# KiCad board 4in1.kicad_pcb (continued)
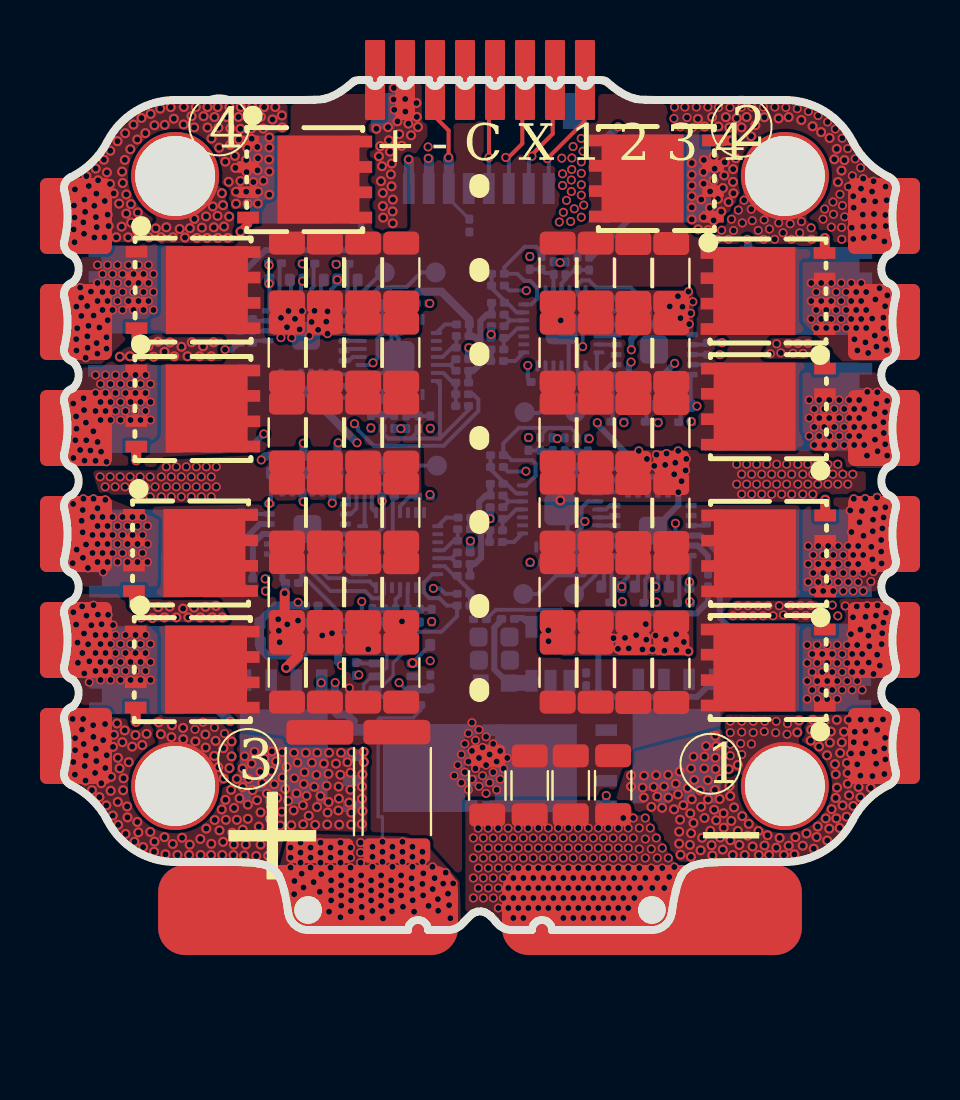
[diagram p0: board, top side]
## Routing (per net, layer and track width the routed paths; a pad name or vN(x,y) marks a point on that pad's centre or on a via; arc(x,y) is an arc through that point) (continued)
/ESC2/GHA: length 2.5
  Bottom w0.2: U6.19 27.43,27.6 27.43,25.5 R77.1
/ESC2/GHB: length 1.8
  Bottom w0.2: U6.16 29.25,26.7 29.12,26.57 29.12,25.47 R56.1
/ESC2/GHC: length 1.8
  Bottom w0.2: U6.13 30.82,27.05 30.82,25.48 R24.1
/ESC2/GLA: length 0.8
  Bottom w0.2: R81.1 32.09,28.27 U6.11
/ESC2/GLB: length 0.8
  Bottom w0.2: U6.10 R63.1
/ESC2/GLC: length 0.8
  Bottom w0.2: R43.1 32.08,29.27 U6.9
/ESC2/MotorA: length 21.4
  In2.Cu w0.2: v1(28.35,28.4) 28.47,28.4 28.92,28.85 28.92,29.32 26.27,31.97 v1(23.11,31.97)
  In3.Cu w0.4: v1(28.35,28.4) 29.93,26.82 36.94,26.82 v1(37.26,26.5)
  Bottom w0.2: U6.18 28.25,26.72 27.94,26.41 C56.1 ; R12.1 22.25,31.98 23.1,31.98 v1(23.11,31.97)
  Bottom w0.3: v1(28.35,28.4) 28.25,28.3 U6.18
  vias: v1(37.26,25.6) v1(37.26,24.7) v1(37.51,26.05) v1(37.51,25.15) v1(37.51,24.25) v1(37.76,26.5) v1(37.76,25.6) v1(37.76,24.7) v1(38.01,26.05) v1(38.01,25.15) v1(38.01,24.25) v1(38.26,26.5) v1(38.26,25.6) v1(38.26,24.7) v1(38.51,26.05) v1(38.51,25.15) v1(38.51,24.25) v1(38.76,26.5) v1(38.76,25.6) v1(38.76,24.7) v1(39.01,26.05) v1(39.01,25.15) v1(39.01,24.25) v1(39.26,26.5) v1(39.26,25.6) v1(39.26,24.7) v1(39.51,26.05) v1(39.51,25.15) v1(39.51,24.25) v1(39.76,26.5) v1(39.76,25.6) v1(39.76,24.7) v1(40.01,26.05) v1(40.01,25.15) v1(40.01,24.25) v1(40.17,26.91) v1(40.15,23.72) v1(40.53,25.8) v1(40.51,25.18) v1(40.55,24.52) v1(40.67,26.89) v1(40.62,26.32) v1(40.68,23.94) v1(40.97,25.39) v1(40.99,24.85) v1(41.05,25.89) v1(41.06,24.29) v1(41.16,26.45) v1(41.16,23.72)
/ESC2/MotorB: length 22.7
  In2.Cu w0.2: v1(30.53,28.33) 30.53,28.42 26.21,32.74 24.22,32.74 v1(23.28,33.68)
  In3.Cu w0.4: v1(39.11,30.1) 39.09,30.08 39.09,28.44 38.44,27.79 31.07,27.79 v1(30.53,28.33)
  Bottom w0.2: U6.15 29.75,26.34 C33.1 ; R15.1 v1(23.28,33.68)
  Bottom w0.3: v1(30.53,28.33) 29.75,27.55 U6.15
  vias: v1(37.36,32.35) v1(37.36,31.45) v1(37.36,30.55) v1(37.61,31.9) v1(37.61,31) v1(37.61,30.1) v1(37.86,32.35) v1(37.86,31.45) v1(37.86,30.55) v1(38.11,31.9) v1(38.11,31) v1(38.11,30.1) v1(38.36,32.35) v1(38.36,31.45) v1(38.36,30.55) v1(38.61,31.9) v1(38.61,31) v1(38.61,30.1) v1(38.86,32.35) v1(38.86,31.45) v1(38.86,30.55) v1(39.11,31.9) v1(39.11,31) v1(39.36,32.35) v1(39.36,31.45) v1(39.36,30.55) v1(39.52,29.54) v1(39.61,31.9) v1(39.61,31) v1(39.61,30.1) v1(39.67,28.98) v1(39.86,32.35) v1(39.86,31.45) v1(39.86,30.55) v1(40.07,29.39) v1(40.11,31.9) v1(40.11,31) v1(40.11,30.1) v1(40.21,28.85) v1(40.41,30.57) v1(40.57,31.53) v1(40.54,29.72) v1(40.62,29.17) v1(40.78,32.09) v1(40.97,30.62) v1(40.96,30.09) v1(41.06,31.19) v1(41.07,29.55) v1(41.16,31.73) v1(41.15,28.99)
/ESC2/MotorC: length 22.2
  Top w0.16: 37.95,35.97 v1(38.03,36.05)
  In3.Cu w0.5: v1(31.64,26.19) 29.66,26.19 27.71,28.14 27.71,32.93 30.92,36.13 v2(31.38,36.13)
  Bottom w0.2: C37.1 31.33,27.69 U6.12
  Bottom w0.3: Q22.3 26.36,33.64 R36.1 ; v1(31.64,26.19) 31.62,26.22 C37.1
  vias: v1(30.49,40.58) v1(30.52,41.15) v1(30.81,40.16) v1(31.04,41.15) v1(31.14,40.63) v1(31.43,40.13) v1(31.61,41.15) v1(32.19,41.15) v1(32.72,41.13) v1(33.29,41.13) v1(33.87,41.14) v1(34.39,41.15) v1(34.96,41.15) v1(35.54,41.15) v1(36.09,41.13) v1(36.66,41.07) v1(37.22,40.93) v1(37.7,40.72) v1(37.95,35.54) v1(38.18,40.4) v1(38.37,35.14) v1(38.45,36.4) v1(38.47,35.79) v1(38.56,40.05) v1(38.8,36.79) v1(38.88,35.13) v1(38.88,34.54) v1(38.91,39.59) v1(38.92,36.22) v1(39.03,35.66) v1(39.19,39.07) v1(39.22,37.17) v1(39.39,35.11) v1(39.42,37.71) v1(39.46,36.69) v1(39.48,36.12) v1(39.46,34.55) v1(39.56,38.56) v1(39.83,38.11) v1(39.85,37.07) v1(39.96,37.57) v1(39.99,36.48) v1(39.94,35.77) v1(39.96,35.17) v1(39.99,34.6) v1(40.4,36.92) v1(40.48,37.44) v1(40.5,35.8) v1(40.5,35.19) v1(40.49,34.67) v1(40.56,36.43) v1(41.08,37.17) v1(41.07,35.75) v1(41.09,35.2) v1(41.02,34.43) v1(41.13,36.49) v2(31.38,38.35) v2(31.38,37.76) v2(31.38,37.23) v2(31.38,36.69) v2(31.38,35.53) v2(31.69,40.55) v2(31.7,35.03) v2(31.86,36.52) v2(31.99,38.5) v2(31.97,37.9) v2(31.98,37.32) v2(31.97,35.64) v2(32.03,40.18) v2(32.2,35) v2(32.3,36.93) v2(32.29,36.11) v2(32.4,40.65) v2(32.48,38.66) v2(32.47,37.47) v2(32.48,35.48) v2(32.53,38.07) v2(32.69,36.55) v2(32.72,40.18) v2(32.86,35.92) v2(32.94,37.1) v2(33.09,40.64) v2(33.03,38.39) v2(33.01,37.73) v2(33.27,40.13) v2(33.23,36.4) v2(33.45,38.04) v2(33.45,37.4) v2(33.47,36.84) v2(33.59,38.59) v2(33.63,40.59) v2(33.87,40.13) v2(34.13,40.65) v2(34.35,39.69) v2(34.57,40.24) v2(35.02,40.64) v2(35.73,40.58) v2(36.23,40.65) v2(36.86,40.5) v2(37.43,40.19) v2(37.85,39.9) v2(38.28,39.6) v2(38.51,38.54) v2(38.64,39.05) v2(38.7,37.4) v2(38.88,37.97) v2(39.02,38.49)
/ESC3/AH: length 0.9
  Bottom w0.2: U7.20 14.91,19.8 U8.22
/ESC3/AL: length 1.7
  Bottom w0.2: U7.15 14.42,17.79 14.08,18.13 U8.1
/ESC3/BH: length 0.9
  Bottom w0.2: U7.19 14.15,19.39 U8.23
/ESC3/BL: length 3.2
  Bottom w0.2: U7.14 15.28,17.43 14.19,17.43 14.03,17.59 13.2,17.59 12.91,17.88 U8.2
/ESC3/CH: length 0.9
  Bottom w0.2: U8.24 14.31,18.8 14.5,18.99 U7.18
/ESC3/CL: length 4.8
  Bottom w0.2: U8.3 12.41,17.86 13.31,16.95 15.04,16.95 15.41,16.59 15.77,16.59 15.99,16.81 U7.13
/ESC3/FBA: length 2.9
  Bottom w0.2: U7.6 19.03,18.19 19.51,17.71 R47.2 19.65,17.61 20.29,16.97 R48.2 R46.1
/ESC3/FBB: length 2.3
  Bottom w0.2: R51.2 17.18,16.04 R50.2 17.17,17.1 U7.10
/ESC3/FBC: length 2.3
  Bottom w0.2: R54.2 15.42,16.06 R53.2 16.57,16.53 16.79,16.75 U7.11
/ESC3/FBCOMMON: length 10
  Bottom w0.2: 16.26,14.92 17.42,14.92 17.79,15.29 R49.1 ; 16.26,14.92 16.27,14.91 18.86,14.91 19.65,15.7 R46.2 19.13,16.22 18.75,16.6 18.26,16.6 17.97,16.88 17.97,17.36 18.4,17.79 U7.7 ; 16.26,14.92 15.99,15.19 R52.1
/ESC3/GHA: length 2.5
  Bottom w0.2: R78.1 14.23,23.57 14.23,21.47 U8.19
/ESC3/GHB: length 1.8
  Bottom w0.2: U8.16 12.41,22.37 12.54,22.5 12.54,23.6 R60.1
/ESC3/GHC: length 1.8
  Bottom w0.2: R37.1 10.84,23.59 10.84,22.02 U8.13
/ESC3/GLA: length 0.8
  Bottom w0.2: R82.1 9.57,20.8 U8.11
/ESC3/GLB: length 4.5
  Bottom w0.3: U8.10 9.78,20.3 8.89,19.41 8.89,17.3 9.22,16.97 R74.1
/ESC3/GLC: length 2.8
  Bottom w0.3: U8.9 9.93,19.8 9.43,19.3 R44.1
/ESC3/MotorA: length 20.9
  In2.Cu w0.2: v1(13.4,21.34) 17.69,17.05 18.43,17.05 v1(18.46,17.08)
  In3.Cu w0.4: v1(4.16,19.3) 6.26,19.3 9.43,22.47 12.27,22.47 v1(13.4,21.34)
  Bottom w0.2: C62.1 13.72,22.66 13.41,22.35 U8.18 ; v1(18.46,17.08) 18.46,16.99 18.55,17.08 18.78,17.08 19.05,16.81 R48.1
  Bottom w0.4: U8.18 13.41,21.35 v1(13.4,21.34)
  vias: v1(0.44,21.3) v1(0.42,18.34) v1(0.62,19.02) v1(0.87,20.46) v1(0.95,21.56) v1(0.92,21) v1(0.92,19.89) v1(0.93,18.61) v1(1.08,19.27) v1(1.18,18.1) v1(1.41,20.65) v1(1.41,19.75) v1(1.41,18.85) v1(1.46,21.56) v1(1.66,21.09) v1(1.66,20.2) v1(1.66,19.3) v1(1.66,18.4) v1(1.91,20.65) v1(1.91,19.75) v1(1.91,18.85) v1(1.94,17.9) v1(2.05,21.51) v1(2.16,20.2) v1(2.16,19.3) v1(2.16,18.4) v1(2.41,20.65) v1(2.41,19.75) v1(2.41,18.85) v1(2.66,20.2) v1(2.66,19.3) v1(2.66,18.4) v1(2.91,20.65) v1(2.91,19.75) v1(2.91,18.85) v1(3.16,20.2) v1(3.16,19.3) v1(3.16,18.4) v1(3.41,20.65) v1(3.41,19.75) v1(3.41,18.85) v1(3.66,20.2) v1(3.66,19.3) v1(3.66,18.4) v1(3.91,20.65) v1(3.91,19.75) v1(3.91,18.85) v1(4.16,20.2) v1(4.16,18.4)
/ESC3/MotorB: length 24.2
  In2.Cu w0.2: v1(11.96,21.41) 17.95,15.43 v1(18.37,15.43)
  In3.Cu w0.4: v1(11.96,21.41) 11.46,21.91 9.81,21.91 4.72,16.82 3.24,16.82 1.56,15.14 v1(1.56,14.75)
  Bottom w0.2: U8.15 11.91,22.73 C34.1 ; v1(18.37,15.43) 18.38,15.42 R51.1
  Bottom w0.4: U8.15 11.91,21.46 v1(11.96,21.41)
  vias: v1(0.45,15.89) v1(0.59,15.27) v1(0.66,14.37) v1(0.68,13.36) v1(0.89,16.18) v1(0.9,13.85) v1(0.98,14.83) v1(1,12.83) v1(1.11,15.72) v1(1.19,14.29) v1(1.25,13.43) v1(1.24,12.39) v1(1.35,15.24) v1(1.46,16.24) v1(1.56,13.85) v1(1.56,12.95) v1(1.68,15.77) v1(1.81,14.3) v1(1.81,13.4) v1(1.81,12.5) v1(1.86,15.29) v1(2.06,14.75) v1(2.06,13.85) v1(2.06,12.95) v1(2.19,15.76) v1(2.31,14.3) v1(2.31,13.4) v1(2.31,12.5) v1(2.44,15.25) v1(2.56,14.75) v1(2.56,13.85) v1(2.56,12.95) v1(2.81,14.3) v1(2.81,13.4) v1(2.81,12.5) v1(3.06,14.75) v1(3.06,13.85) v1(3.06,12.95) v1(3.31,14.3) v1(3.31,13.4) v1(3.31,12.5) v1(3.56,14.75) v1(3.56,13.85) v1(3.56,12.95) v1(3.81,14.3) v1(3.81,13.4) v1(3.81,12.5) v1(4.06,14.75) v1(4.06,13.85) v1(4.06,12.95) v1(4.31,14.3) v1(4.31,13.4) v1(4.31,12.5)
/ESC3/MotorC: length 25.5
  Top w0.4: 1.45,9.71 v2(2.04,10.3) ; 1.22,10.02 v2(1.44,10.24)
  In2.Cu w0.2: v1(14.88,16.42) 14.88,16.7 v1(10.25,21.33)
  In3.Cu w0.4: v1(10.25,21.33) 9.33,20.41 9.33,16.19 5.05,11.92 4.22,11.92 v2(2.64,10.33)
  Bottom w0.2: C38.1 10.33,21.38 U8.12 ; v1(14.88,16.42) 14.88,15.79 15.24,15.43 R54.1
  Bottom w0.4: U8.12 v1(10.25,21.33)
  vias: v1(0.41,10.55) v1(0.53,7.77) v1(0.94,10.55) v2(0.45,8.4) v2(0.54,9.59) v2(0.54,8.99) v2(0.88,10.02) v2(0.97,9.3) v2(1.07,8.72) v2(1.02,8.2) v2(1.06,7.47) v2(1.38,6.99) v2(1.45,9.66) v2(1.58,9.06) v2(1.6,8.45) v2(1.54,7.85) v2(1.75,6.64) v2(1.85,7.34) v2(1.94,9.49) v2(2.05,8.1) v2(2.1,6.23) v2(2.12,8.74) v2(2.34,7.66) v2(2.32,6.96) v2(2.48,9.76) v2(2.44,9.16) v2(2.42,5.72) v2(2.68,8.61) v2(2.67,6.4) v2(2.69,5.26) v2(2.76,8.08) v2(2.9,9.39) v2(2.96,7.59) v2(2.94,6.99) v2(3.02,9.98) v2(3.06,4.8) v2(3.14,6.18) v2(3.16,5.63) v2(3.22,8.39) v2(3.39,9.17) v2(3.5,4.42) v2(3.56,9.75) v2(3.65,5.4) v2(3.7,4.88) v2(3.9,9.25) v2(3.94,4.15) v2(4.11,9.81) v2(4.3,4.9) v2(4.49,3.92) v2(4.51,4.42) v2(5.01,4.65) v2(5.06,3.78) v2(5.42,4.3) v2(5.66,3.75) v2(5.89,4.61) v2(6.27,4.27) v2(6.24,3.75) v2(6.8,4.55) v2(6.82,3.75) v2(7.1,5.07) v2(7.35,4.31) v2(7.34,3.75) v2(7.52,5.5) v2(7.76,4.98) v2(7.87,6.03) v2(7.9,3.75) v2(7.94,4.41) v2(8.06,6.51) v2(8.08,5.51) v2(8.34,7.01) v2(8.4,4.86) v2(8.49,6.1) v2(8.48,4.27) v2(8.46,3.75) v2(8.63,7.55) v2(8.63,5.51) v2(8.76,6.59) v2(8.92,8.08) v2(8.92,7.15) v2(8.92,5.02) v2(9,3.73) v2(9.02,8.69) v2(9.08,4.27) v2(9.18,6.27) v2(9.18,5.56) v2(9.21,7.56) v2(9.37,8.32) v2(9.39,4.69) v2(9.42,6.99) v2(9.51,8.91) v2(9.6,3.7) v2(9.64,6.49) v2(9.8,7.91) v2(9.73,5.17) v2(9.9,7.35) v2(9.82,5.88) v2(9.82,4.27) v2(10,8.57) v2(10.14,6.83) v2(10.2,3.71) v2(10.29,5.57) v2(10.38,8.93) v2(10.37,7.95) v2(10.34,6.18) v2(10.32,4.86) v2(10.5,7.29) v2(10.42,4.27) v2(10.59,8.43) v2(10.65,6.61) v2(10.8,5.22) v2(10.89,8.89) v2(10.87,5.91) v2(10.91,7.63) v2(11.05,7.05) v2(11.12,8.16) v2(11.2,6.45) v2(11.35,5.24) v2(11.49,8.86) v2(11.51,7.59) v2(11.47,5.98) v2(11.66,8.37) v2(11.61,6.84) v2(11.98,7.3) v2(11.93,6.24) v2(11.95,5.29) v2(12.08,8.86) v2(12.02,7.89) v2(12.11,6.71) v2(12.22,5.72) v2(12.38,8.36) v2(12.5,7.17) v2(12.55,5.26) v2(12.65,8.86) v2(12.61,7.76) v2(12.64,6.15) v2(12.81,6.7) v2(12.98,8.32) v2(13.12,7.22) v2(13.17,5.87) v2(13.15,5.27) v2(13.24,8.86) v2(13.21,7.81) v2(13.22,6.4) v2(13.59,8.32) v2(13.71,5.98) v2(13.81,7.76) v2(13.72,7.17) v2(13.73,6.57) v2(13.75,5.27) v2(13.84,8.86) v2(14.16,8.39) v2(14.25,6.37) v2(14.38,8.88) v2(14.31,7.86) v2(14.31,7.01) v2(14.35,5.87) v2(14.35,5.27) v2(14.89,7.17) v2(14.89,6.56) v2(14.88,5.3) v2(14.97,8.91) v2(14.98,8.4) v2(14.91,7.78) v2(14.91,5.95)
/ESC4/AH: length 0.9
  Bottom w0.2: U9.20 14.84,29.46 U10.22
/ESC4/AL: length 1.7
  Bottom w0.2: U10.1 14.12,27.79 14.13,27.8 14.48,27.45 U9.15
/ESC4/BH: length 0.9
  Bottom w0.2: U10.23 14.08,29.05 U9.19
/ESC4/BL: length 3.2
  Bottom w0.2: U10.2 12.84,27.54 13.13,27.25 13.96,27.25 14.12,27.09 15.21,27.09 U9.14
/ESC4/CH: length 0.9
  Bottom w0.2: U9.18 14.43,28.65 14.24,28.46 U10.24
/ESC4/CL: length 4.8
  Bottom w0.2: U10.3 12.34,27.52 13.24,26.61 14.97,26.61 15.34,26.24 15.7,26.24 15.92,26.46 U9.13
/ESC4/FBA: length 2.3
  Bottom w0.2: R64.1 R65.2 19.44,27.37 18.96,27.85 U9.6
/ESC4/FBB: length 2.3
  Bottom w0.2: U9.10 17.12,25.73 R68.2 17.11,25.7 R69.2
/ESC4/FBC: length 2.3
  Bottom w0.2: U9.11 16.72,26.47 16.5,26.24 R71.2 15.35,25.72 R72.2
/ESC4/FBCOMMON: length 10.2
  Bottom w0.2: 18.79,24.57 20.22,26 R64.2 ; 18.79,24.57 16.2,24.57 16.19,24.58 ; 18.79,24.57 18.79,27.27 U9.7 ; R67.1 17.72,24.95 17.35,24.58 16.19,24.58 ; 16.19,24.58 15.92,24.85 R70.1
/ESC4/GHA: length 2.5
  Bottom w0.2: R79.1 14.16,33.23 14.16,31.13 U10.19
/ESC4/GHB: length 1.8
  Bottom w0.2: U10.16 12.34,32.03 12.47,32.16 12.47,33.26 R61.1
/ESC4/GHC: length 1.8
  Bottom w0.2: R38.1 10.77,33.25 10.77,31.68 U10.13
/ESC4/GLA: length 0.8
  Bottom w0.2: U10.11 9.5,30.46 R83.1
/ESC4/GLB: length 0.8
  Bottom w0.2: U10.10 R75.1
/ESC4/GLC: length 0.8
  Bottom w0.2: U10.9 9.51,29.46 R45.1
/ESC4/MotorA: length 35.5
  In2.Cu w0.2: v2(9.68,36.32) 9.68,35.17 10.98,33.87 10.98,32.37 10.35,31.74 10.35,29.42 11.84,27.92 14.58,27.92 16.19,26.31 16.19,24.52 15.23,24.52 14.51,25.24 v1(14.51,25.31)
  In3.Cu w0.5: v2(9.68,36.32) 11.7,36.32 14.26,33.76 14.26,33.01 13.76,32.51 v1(13.65,32.51)
  Bottom w0.2: R66.1 20.45,26.79 20.71,26.53 20.71,25.95 18.97,24.21 15.48,24.21 14.69,25 14.69,25.14 v1(14.51,25.31) ; v1(13.65,32.51) 13.65,32.32 13.34,32.01 U10.18
  vias: v1(0.53,37.03) v1(0.51,34.39) v2(0.48,36.22) v2(0.51,35.63) v2(0.47,35.03) v2(1.01,36.52) v2(0.95,35.39) v2(0.98,34.81) v2(1.1,37.69) v2(1.04,35.91) v2(1.22,37.2) v2(1.5,36.21) v2(1.5,34.63) v2(1.57,38.07) v2(1.6,36.82) v2(1.58,35.65) v2(1.69,37.49) v2(1.62,35.14) v2(1.98,38.51) v2(2.02,36.45) v2(2.01,34.64) v2(2.13,37.88) v2(2.17,35.77) v2(2.3,38.96) v2(2.29,37.3) v2(2.21,35.2) v2(2.47,36.83) v2(2.59,34.64) v2(2.66,39.44) v2(2.74,36.32) v2(2.89,37.92) v2(2.87,35.17) v2(2.92,37.35) v2(3.04,39.84) v2(3.03,38.5) v2(3.1,36.78) v2(3.1,35.82) v2(3.19,34.64) v2(3.3,39.04) v2(3.33,36.29) v2(3.34,35.37) v2(3.46,40.27) v2(3.65,39.53) v2(3.67,35.88) v2(3.64,34.93) v2(3.86,40.6) v2(4,35.42) v2(4.05,39.84) v2(4.32,40.8) v2(4.51,40.24) v2(4.79,41.07) v2(5.02,40.26) v2(5.32,41.14) v2(5.48,40.56) v2(5.98,41.15) v2(5.96,40.28) v2(6.36,40.69) v2(6.49,40.13) v2(6.58,41.15) v2(6.96,40.69) v2(7.16,41.15) v2(7.16,40.12) v2(7.36,39.57) v2(7.51,40.65) v2(7.67,41.15) v2(7.71,40.11) v2(7.75,39.12) v2(8.05,38.42) v2(8.11,40.65) v2(8.26,41.15) v2(8.31,40.08) v2(8.3,39.26) v2(8.22,37.41) v2(8.53,38.71) v2(8.55,38.11) v2(8.59,36.92) v2(8.59,36.32) v2(8.71,40.65) v2(8.81,40.06) v2(8.73,39.53) v2(8.81,37.45) v2(8.83,41.15) v2(9.09,38.5) v2(9.09,36.92) v2(9.15,39.1) v2(9.11,37.89) v2(9.16,36.32) v2(9.4,41.15) v2(9.31,40.65) v2(9.35,40.08) v2(9.37,39.56) v2(9.45,37.4) v2(9.65,39.15) v2(9.69,38.59) v2(9.66,37.98) v2(9.69,36.92) v2(9.83,40.66) v2(9.99,41.15) v2(9.95,40.07) v2(9.96,37.46) v2(10.25,39.63) v2(10.25,39.12) v2(10.24,38.52) v2(10.25,37.92) v2(10.25,36.76) v2(10.41,40.53) v2(10.55,41.15) v2(10.88,40.73) v2(10.9,40.13)
/ESC4/MotorB: length 22.8
  In2.Cu w0.2: v1(11.91,32.45) 11.98,32.51 12.16,32.51 13.25,31.42 13.36,31.42 13.65,31.13 13.65,31.02 18.3,26.37 v1(18.3,25.08)
  In3.Cu w0.5: v1(4.46,31) 5.82,31 9.52,34.69 11.46,34.69 12.57,33.58 12.57,33.03 12.05,32.51 11.98,32.51 v1(11.91,32.45)
  Bottom w0.2: U10.15 11.84,32.39 11.89,32.45 v1(11.91,32.45) ; R69.1 18.31,25.08 v1(18.3,25.08)
  vias: v1(0.6,31.17) v1(0.59,29.54) v1(0.6,28.97) v1(0.64,30.09) v1(0.79,32.12) v1(0.84,31.62) v1(0.85,30.7) v1(1.06,28.61) v1(1.14,31.2) v1(1.21,30.21) v1(1.15,29.69) v1(1.16,29.11) v1(1.33,31.92) v1(1.46,30.72) v1(1.66,33.25) v1(1.66,32.35) v1(1.66,31.45) v1(1.61,29.35) v1(1.65,28.82) v1(1.75,30.13) v1(1.91,32.8) v1(1.91,31.9) v1(1.91,31) v1(2.16,33.25) v1(2.16,32.35) v1(2.16,31.45) v1(2.17,30.49) v1(2.11,29.64) v1(2.11,29.06) v1(2.41,32.8) v1(2.41,31.9) v1(2.41,31) v1(2.66,33.25) v1(2.66,32.35) v1(2.66,31.45) v1(2.91,32.8) v1(2.91,31.9) v1(2.91,31) v1(3.21,33.25) v1(3.21,32.35) v1(3.21,31.45) v1(3.46,32.8) v1(3.46,31.9) v1(3.46,31) v1(3.71,33.25) v1(3.71,32.35) v1(3.71,31.45) v1(3.96,32.8) v1(3.96,31.9) v1(3.96,31) v1(4.21,33.25) v1(4.21,32.35) v1(4.21,31.45) v1(4.46,32.8) v1(4.46,31.9)
/ESC4/MotorC: length 22.4
  In2.Cu w0.2: v1(15.33,25.1) 15.33,25.18 13.22,27.29 11.13,27.29 9.99,28.43 9.99,32.06 v1(10.24,32.32)
  In3.Cu w0.5: v1(4.31,26.4) 6.72,26.4 9.43,29.11 9.43,29.64 9.42,29.65 9.42,31.5 v1(10.24,32.32)
  Bottom w0.2: U10.12 10.26,31.04 C39.1 ; R72.1 15.34,25.1 v1(15.33,25.1)
  Bottom w0.5: v1(10.24,32.32) 10.26,32.34 C39.1
  vias: v1(0.44,26.32) v1(0.45,23.6) v1(0.59,25.68) v1(0.61,25.06) v1(0.55,24.49) v1(0.79,24) v1(0.96,26.59) v1(0.99,26) v1(1.01,23.47) v1(1.08,25.37) v1(1.09,24.49) v1(1.3,23.98) v1(1.45,24.94) v1(1.56,27.75) v1(1.56,26.85) v1(1.56,25.95) v1(1.56,23.46) v1(1.66,24.4) v1(1.81,27.3) v1(1.81,26.4) v1(1.81,25.5) v1(1.84,23.92) v1(2.06,27.75) v1(2.06,26.85) v1(2.06,25.95) v1(2.11,23.41) v1(2.31,27.3) v1(2.31,26.4) v1(2.31,25.5) v1(2.56,27.75) v1(2.56,26.85) v1(2.56,25.95) v1(2.81,27.3) v1(2.81,26.4) v1(2.81,25.5) v1(3.06,27.75) v1(3.06,26.85) v1(3.06,25.95) v1(3.31,27.3) v1(3.31,26.4) v1(3.31,25.5) v1(3.56,27.75) v1(3.56,26.85) v1(3.56,25.95) v1(3.81,27.3) v1(3.81,26.4) v1(3.81,25.5) v1(4.06,27.75) v1(4.06,26.85) v1(4.06,25.95) v1(4.31,27.3) v1(4.31,25.5)
/M1: length 38.1
  Top w0.2: 21.44,40.87 21.24,40.67 v1(21.24,38.63)
  In2.Cu w0.2: v1(21.24,38.63) 15.67,33.06 15.67,29.94 20.05,25.56 20.07,25.56 20.07,25.06 19.54,24.53 17.15,24.53 14.88,22.26 14.88,21.04 17.53,18.39 v1(23.3,18.39)
  Bottom w0.2: 21.23,37.65 21.23,38.63 v1(21.24,38.63) ; R20.1 23.29,18.38 v1(23.3,18.39)
/M2: length 28.7
  Top w0.2: v1(22.08,38.63) 22.22,38.63 22.91,39.32 22.91,41.08
  In2.Cu w0.2: v1(22.08,38.63) 22.22,38.63 23.65,40.06 26.05,40.06 26.46,39.65 26.46,35.56 25.06,34.16 23.04,34.16 19.58,30.7 19.58,28.84 20.19,28.23 v1(23.18,28.23)
  Bottom w0.2: v1(23.18,28.23) 23.18,27.56 R39.1 ; 22.23,37.65 22.23,38.48 v1(22.08,38.63)
/M3: length 26
  Top w0.2: 24.43,41.06 24.43,39.81 23.39,38.77 v1(23.39,38.69)
  In2.Cu w0.2: v1(18.29,21.78) 20.66,24.15 20.66,26.91 17.2,30.36 17.2,32.59 23.31,38.69 v1(23.39,38.69)
  Bottom w0.2: v1(18.29,21.78) 18.31,21.76 R57.1 ; 23.23,37.65 23.23,38.61 23.32,38.69 v1(23.39,38.69)
/M4: length 14.3
  Top w0.2: v1(24.16,38.57) 26.01,40.42 26.01,41.4
  In2.Cu w0.2: v1(24.16,38.57) 24.16,37.21 v1(18.28,31.33)
  Bottom w0.2: 24.23,37.65 24.23,38.5 v1(24.16,38.57) ; R87.1 v1(18.28,31.33)
Net-(Q1-G): length 12.9
  In3.Cu w0.6: v1(27.9,16.42) 26.48,16.42 25.34,15.28 25.34,8.83 27.11,7.06 v1(27.11,6.73)
  Bottom w0.2: v1(27.9,16.42) 27.93,16.39 R76.2
  Bottom w0.4: Q1.2 v1(27.11,6.73)
Net-(Q2-G): length 16.3
  Bottom w0.3: R80.2 32.2,16.42 31.61,15.83 27.2,15.83 27.2,15.83 26.71,15.33 26.71,12 27.05,11.66 31.65,11.66 32.52,12.53
Net-(Q3-G): length 1.4
  Bottom w0.3: R81.2 32.93,28.07 Q3.2
Net-(Q4-G): length 4.7
  Bottom w0.3: Q4.2 8.29,17.77 8.29,20.57 8.62,20.89 R82.2
Net-(Q5-G): length 10.1
  Bottom w0.3: Q5.2 14.85,34.45 14.41,34 14.41,33.99 10.06,33.99 8.77,32.7 R83.2
Net-(Q6-G): length 10
  Top w0.5: v1(37.98,15.78) 38.04,15.72 Q6.2
  In3.Cu w0.3: v1(37.98,15.78) 37.36,15.17 32.02,15.17 31.3,15.89 30.12,15.89 v1(29.61,16.4)
  Bottom w0.2: v1(29.61,16.4) 29.64,16.37 R55.2
Net-(Q7-G): length 17.7
  Top w0.5: v1(38.06,28.85) 38.05,28.84 Q7.2
  In2.Cu w0.6: v1(38.06,28.85) 32.94,23.74 32.94,23.15 31,21.21 29.55,21.21 27.99,22.77 v1(27.99,25.37)
  Bottom w0.3: R77.2 v1(27.99,25.37)
Net-(Q8-G): length 16
  Top w0.5: 38.04,33.79 v1(38.04,34.6)
  In2.Cu w0.5: v1(38.04,34.6) 38.04,34.31 34.58,30.85 34.58,27.01 32.24,24.67 30.39,24.67 v1(29.7,25.37)
  Bottom w0.3: R56.2 v1(29.7,25.37)
Net-(Q9-G): length 19.3
  Top w0.5: Q9.2 3.57,10.42 v1(3.59,10.4)
  In2.Cu w0.6: 3.59,10.46 3.76,10.46 8.61,15.31 8.61,18.48 9.2,19.07 9.2,21.17 9.56,21.54 9.56,21.61 9.97,22.01 10.74,22.01 11.95,23.22 v1(11.95,24.34)
  Bottom w0.4: R60.2 11.96,24.33 v1(11.95,24.34)
Net-(Q10-G): length 11.9
  Top w0.5: Q10.2 3.61,29.46
  In3.Cu w0.5: v1(11.91,33.3) 11.18,34.03 9.97,34.03 8.45,32.51 8.45,31.43 7.09,30.07 4.17,30.07 3.59,29.5 v1(3.59,29.44)
  Bottom w0.2: R61.2 11.9,33.32 v1(11.91,33.3)
Net-(Q11-G): length 3.2
  Bottom w0.3: R62.2 32.79,15.61 33.38,15.02 Q11.2
Net-(Q12-G): length 7.7
  In3.Cu w0.4: v1(34.16,34.54) 34.28,34.42 34.28,29.33 33.71,28.76 v1(32.79,28.76)
  Bottom w0.3: R63.2 32.8,28.77 v1(32.79,28.76)
  Bottom w0.4: v1(34.16,34.54) 34.21,34.49 Q12.2
Net-(Q13-G): length 16.5
  Top w0.5: v1(3.48,16.23) 3.48,16.24 Q13.2
  In2.Cu w0.5: v1(13.7,24.36) 13.63,24.36 12.89,25.1 11.64,25.1 11.02,24.48 11.02,23.29 10.44,22.72 9.67,22.72 3.48,16.53 v1(3.48,16.23)
  Bottom w0.4: v1(13.7,24.36) 13.7,24.35 13.67,24.32 R78.2
Net-(Q14-G): length 8.4
  In3.Cu w0.4: v1(10.07,16.94) 10.07,12.2 v1(8.3,10.43)
  Bottom w0.3: R74.2 v1(10.07,16.95)
  Bottom w0.5: v1(8.3,10.43) 7.65,11.09 Q14.2
Net-(Q15-G): length 1.4
  Bottom w0.3: 7.41,30.13 7.58,29.96 R75.2
Net-(Q16-G): length 11.9
  Top w0.5: v1(38.06,21.52) Q16.2
  In3.Cu w0.3: v1(31.28,16.42) 30.7,17.01 30.7,18.67 31.27,19.24 35.78,19.24 v1(38.06,21.52)
  Bottom w0.2: R23.2 31.31,16.4 v1(31.28,16.42)
Net-(Q17-G): length 20.5
  Top w0.5: 33.39,39.47 33,39.47 32.99,39.48 32.44,39.48
  In2.Cu w0.4: 32.13,39.39 33.3,39.39 v2(33.39,39.48)
  In2.Cu w0.7: 32.13,39.39 31.12,39.39 30.04,38.31 30.04,34.49 33.67,30.86 33.67,27.18 31.92,25.43 v1(31.35,25.43)
  Bottom w0.3: R24.2 31.37,25.41 v1(31.35,25.43)
Net-(Q18-G): length 19.2
  In3.Cu w0.4: v1(9.85,23.5) 12.07,23.5 13.98,21.59 13.98,21.1 14.27,20.82 14.27,14.48 13.96,14.18 13.04,14.18 12.91,14.05 12.91,13.22 13.55,12.58 v1(13.55,12.37)
  Bottom w0.4: 14.47,10.45 14.46,10.45 14.45,10.46 ; 14.45,10.46 14.14,10.77 13.67,10.77 13.53,10.91 13.53,11.39 13.53,11.39 13.53,12.35 v1(13.55,12.37) ; 14.45,10.46 14.47,10.44 Q18.2 ; v1(9.85,23.5) 10.03,23.68 R37.2
Net-(Q19-G): length 6.8
  Top w0.4: v2(8.81,34.92) 9.19,35.3 Q19.2
  In3.Cu w0.5: v1(13.6,33.28) 13.6,33.49 11.73,35.35 9.24,35.35 v2(8.81,34.92)
  Bottom w0.2: R79.2 v1(13.6,33.28)
Net-(Q20-G): length 14.9
  Top w0.5: Q20.2 3.6,23.48
  In3.Cu w0.5: v1(10.24,33.24) 10.38,33.24 10.9,32.72 10.9,32.04 10.16,31.3 10.16,28.42 5.53,23.8 3.91,23.8 v1(3.59,23.47)
  Bottom w0.2: R38.2 10.24,33.32 v1(10.24,33.24)
Net-(Q21-G): length 1.6
  Bottom w0.4: R42.2 33.78,20.32 Q21.2
Net-(Q22-G): length 15.3
  In2.Cu w0.4: v1(32.91,29.36) 31.88,29.36
  In2.Cu w0.6: 31.83,29.44 30.94,29.44 28.26,32.12 28.26,39.6 v1(27.7,40.16)
  Bottom w0.3: R43.2 32.9,29.37 v1(32.91,29.36)
  Bottom w0.4: 26.78,39.48 27.01,39.48 v1(27.7,40.16)
Net-(Q23-G): length 7.5
  In3.Cu w0.4: v1(12.85,12.36) 12.32,12.89 12.32,16.86 11.62,17.56 v1(10.04,17.56)
  Bottom w0.3: R44.2 10.06,17.57 v1(10.04,17.56) ; v1(12.85,12.36) 12.87,12.39 Q23.2
Net-(Q24-G): length 8.8
  In2.Cu w0.5: v1(8.04,29.02) 8.79,28.27 8.79,25.99 v1(9.98,24.81)
  Bottom w0.3: Q24.2 9.33,24.16 v1(9.98,24.81) ; R45.2 8.74,29.33 8.68,29.33 8.37,29.02 v1(8.04,29.02)
Net-(U2-BOOT0): length 1.2
  Bottom w0.2: R19.1 22.49,19.4 U2.1
Net-(U2-NRST): length 1.8
  Bottom w0.2: C50.1 21.92,20.55 R18.1 22.13,20.56 22.6,21.03 U2.4
Net-(U2-PA13): length 3.6
  Bottom w0.2: U2.21 26.58,19.73 26.58,17.75 25.63,16.8 TP1.1
Net-(U2-PA14): length 5
  Bottom w0.2: U2.22 26.22,18.94 26.22,17.97 25.98,17.73 24.61,17.73 23.68,16.8 TP4.1
Net-(U2-PB4): length 1.4
  Bottom w0.2: R20.2 24.32,18.35 24.81,18.84 U2.25
Net-(U4-VB1): length 2.5
  Bottom w0.2: U4.20 27.26,19.22 26.99,18.94 26.99,17.3 C53.2
Net-(U4-VB2): length 1
  Bottom w0.2: C32.2 28.69,17.31 U4.17
Net-(U4-VB3): length 0.9
  Bottom w0.2: U4.14 30.19,17.23 C36.2
Net-(U5-BOOT0): length 1.2
  Bottom w0.2: U5.1 22.55,28.45 R22.1
Net-(U5-NRST): length 1.8
  Bottom w0.2: C52.1 21.98,29.6 R21.1 22.19,29.61 22.66,30.08 U5.4
Net-(U5-PA13): length 3.6
  Bottom w0.2: U5.21 26.64,28.78 26.64,26.8 25.69,25.85 25.56,25.85
Net-(U5-PA14): length 5
  Bottom w0.2: 23.02,25.85 23.74,25.85 24.67,26.78 26.04,26.78 26.28,27.02 26.28,27.99 U5.22
Net-(U5-PB4): length 1.4
  Bottom w0.2: U5.25 24.87,27.89 24.38,27.4 R39.2
Net-(U6-VB1): length 2.5
  Bottom w0.2: C56.2 27.05,26.35 27.05,27.99 27.32,28.27 U6.20
Net-(U6-VB2): length 1
  Bottom w0.2: C33.2 28.75,26.36 U6.17
Net-(U6-VB3): length 0.9
  Bottom w0.2: C37.2 30.25,26.28 U6.14
Net-(U7-BOOT0): length 1.2
  Bottom w0.2: U7.1 19.11,20.62 R41.1
Net-(U7-NRST): length 1.8
  Bottom w0.2: U7.4 18.99,18.99 19.46,19.46 R40.1 19.68,19.47 C59.1
Net-(U7-PA13): length 3.6
  Bottom w0.2: U7.21 15.02,20.29 15.02,22.27 15.97,23.22 TP3.1
Net-(U7-PA14): length 5
  Bottom w0.2: TP6.1 17.21,23.22 16.28,22.29 15.61,22.29 15.38,22.06 15.38,21.08 U7.22
Net-(U7-PB4): length 1.4
  Bottom w0.2: U7.25 16.79,21.19 17.27,21.67 R57.2
Net-(U8-VB1): length 2.5
  Bottom w0.2: U8.20 14.33,20.8 14.61,21.08 14.61,22.72 C62.2
Net-(U8-VB2): length 1
  Bottom w0.2: U8.17 12.91,22.71 C34.2
Net-(U8-VB3): length 0.9
  Bottom w0.2: C38.2 11.41,22.79 U8.14
Net-(U9-BOOT0): length 1.2
  Bottom w0.2: R59.1 19.04,30.28 U9.1
Net-(U9-NRST): length 1.8
  Bottom w0.2: U9.4 18.92,28.65 19.39,29.12 R58.1 19.61,29.13 C64.1
Net-(U9-PA13): length 3.6
  Bottom w0.2: TP7.1 15.9,32.88 14.95,31.93 14.95,29.95 U9.21
Net-(U9-PA14): length 5
  Bottom w0.2: TP8.1 17.85,32.88 17.12,32.15 16.37,32.15 16.34,32.12 15.71,32.12 15.31,31.71 15.31,30.74 U9.22
Net-(U9-PB4): length 1.4
  Bottom w0.2: U9.25 16.72,30.84 17.2,31.33 R87.2
Net-(U10-VB1): length 2.5
  Bottom w0.2: C67.2 14.54,32.38 14.54,30.74 14.26,30.46 U10.20
Net-(U10-VB2): length 1
  Bottom w0.2: C35.2 12.84,32.37 U10.17
Net-(U10-VB3): length 0.9
  Bottom w0.2: U10.14 11.34,32.45 C39.2
Net-(U12-+IN): length 5.1
  Bottom w0.16: R90.1 16.37,11.25 16.34,11.22 16.34,11.23 U12.4 15.75,12.03 16.45,12.73 16.45,13.36 17.28,14.19 C41.1
Net-(U12--IN): length 5.1
  Bottom w0.16: 14.48,11.44 14.17,11.44 ; 14.48,11.44 14.97,11.94 14.97,12.27 15.38,12.68 U12.5 15.7,12.68 16.13,13.11 16.13,13.87 C40.1 ; 14.48,11.44 14.7,11.22 C42.1
Net-(U12-OUT): length 0.8
  Bottom w0.2: U12.6 14.89,13.33 14.77,13.45
Net-(U13-CB): length 1.1
  Bottom w0.3: C75.2 22.52,15.57 22.55,15.6 22.93,15.6 U13.1
Net-(U13-FB): length 5.9
  Bottom w0.2: R121.1 25.6,15.49 U13.3 25.27,15.58 24.84,16.01 21.58,16.01 R120.2
Net-(U13-SW): length 4.8
  Bottom w0.3: 21.77,15.6 21.77,15.39 21.51,15.13 21.51,13.03 22.2,12.34 U14.1
  Bottom w0.8: 22.3,12.35 23.26,12.35 U13.6

## Copper pours and planes (outline as drawn; the poured copper is in the pictures)
+10V on Bottom: 13.53,15.01 19.01,15.02 21.47,15.82 21.41,12.4 18.65,12.45 17.51,13.5 13.34,13.75
GND on Top: 20.06,6.51 31.16,6.51 31.16,-0.34 20.06,-0.46
GND on Top: 24.7,32 31.46,32 31.46,29.7 24.7,29.7
GND on Top: 24.85,16 31.46,16 31.46,13.7 24.85,13.7
GND on Top: 33.53,16.55 37.56,16.59 37.82,16.18 37.32,15.38 33.21,15.33 33.1,15.77 33.54,16.56
GND on Top: 2.86,29 4.54,29.81 7.78,29.78 8.41,28.98 8.25,28.44 2.66,28.5
GND on Top: 23.79,24 40.09,24 40.09,21.41 23.79,21.41
GND on Top: 15.33,37.81 15.21,40.39 16.18,42.32 16.4,42.78 18.07,42.84 18.17,39.69 17.14,38.14 17.16,34.36 15.53,34.57
GND on Top: 32.21,34.5 34.08,37.1 37.07,37.12 37.82,34.89 37.68,34.2 32.23,34.2
GND on Top: 3.79,34.32 4.92,36.5 7.79,37.25 8.29,36.87 8.56,35.64 8.53,34.21
GND on Top: 4.54,8.82 4.39,10.82 7.46,10.77 8.94,9.5 8.76,8.01 7.53,6.6 5.21,7.07
GND on Top: 10.16,32 17,32 17,29.7 10.16,29.7
GND on Top: 10.16,16 17.19,16 17.19,13.7 10.16,13.7
GND on Top: 36.84,8.51 37.18,10.74 33.06,10.77 32.92,7.86 33.17,7.59 36.57,8.14
GND on Top: 34.98,28.87 35.41,29.69 37.55,29.69 37.4,28.99 37.17,28.55 34.94,28.57
GND on Top: 1.49,22.98 4.62,22.99 4.96,23.49 17.81,24.22 17.87,21.61 3.62,21.32 3.26,21.77 1.77,21.76 1.44,22.82
GND on Top: 10.16,24 14,24 14,21.7 10.16,21.7
GND on Top: 3.79,16.53 7.69,16.54 8.32,15.37 3.59,15.42
GND on Bottom: -4.84,47.3 45.16,47.3 45.16,-0.2 -4.84,-0.2
GND on In1.Cu, In2.Cu, In3.Cu, In4.Cu: -9.84,52.3 50.16,52.3 50.16,-0.2 -9.84,-0.2
+BATT on Top: -7.34,41.8 47.66,41.8 47.66,-0.46 -7.34,-0.46
+BATT on Bottom: 15.91,12.35 26.46,12.35 26.46,6.52 15.88,6.63
/CSA+ on Top, Bottom, In1.Cu, In2.Cu, In3.Cu, In4.Cu: 8.59,1.18 10.69,2.89 11.11,4.42 11.91,4.82 17.1,4.68 18.23,4.14 19.78,2.43 19.88,-0.91 11.68,-0.95 8.61,0.02
/ESC1/MotorA on Top, Bottom, In1.Cu, In2.Cu, In3.Cu, In4.Cu: 43.91,2.8 26.41,2.8 28.32,8.88 35.33,10.7 43.97,10.87
/ESC1/MotorA on Bottom: 26.48,11.22 32.89,11.12 32.87,7.06 26.24,7.42
/ESC1/MotorB on Top, Bottom, In1.Cu, In2.Cu, In3.Cu, In4.Cu: 43.42,10.93 36.92,10.93 36.92,14.93 38.58,16.59 43.42,16.59
/ESC1/MotorC on Top, Bottom, In1.Cu, In2.Cu, In3.Cu, In4.Cu: 43.42,16.93 36.92,16.93 36.92,20.93 37.62,21.63 43.42,21.63
/ESC2/MotorA on Top, Bottom, In1.Cu, In2.Cu, In3.Cu, In4.Cu: 43.42,27.88 36.92,27.88 36.92,24.93 38.75,23.1 43.42,23.1
/ESC2/MotorB on Top, Bottom, In1.Cu, In2.Cu, In3.Cu, In4.Cu: 43.42,33.41 36.92,33.41 36.92,30.43 38.92,28.43 43.42,28.43
/ESC2/MotorC on Top, Bottom, In1.Cu, In2.Cu, In3.Cu, In4.Cu: 43.41,41.8 30.41,41.8 30.41,35.8 33.07,34.38 43.41,34.38
/ESC3/MotorA on Top, Bottom, In1.Cu, In2.Cu, In3.Cu, In4.Cu: -1.84,17.17 4.66,17.17 4.72,20.53 2.03,21.67 -1.82,21.69
/ESC3/MotorB on Top, Bottom, In1.Cu, In2.Cu, In3.Cu, In4.Cu: -1.84,10.8 4.66,10.8 4.66,14.8 2.66,16.8 -1.84,16.8
/ESC3/MotorC on Top, Bottom, In1.Cu, In2.Cu, In3.Cu, In4.Cu: -2.34,2.8 15.16,2.8 15.15,9 2.02,10.7 -2.34,10.8
/ESC4/MotorA on Top, Bottom, In1.Cu, In2.Cu, In3.Cu, In4.Cu: -1.84,41.8 11.16,41.8 11.16,37.1 5.99,34.39 -1.84,34.39
/ESC4/MotorB on Top, Bottom, In1.Cu, In2.Cu, In3.Cu, In4.Cu: -1.84,34.3 4.66,34.3 4.66,31.1 1.86,28.3 -1.84,28.3
/ESC4/MotorC on Top, Bottom, In1.Cu, In2.Cu, In3.Cu, In4.Cu: -1.84,28.73 4.66,28.73 4.66,24.73 3.15,23.22 -1.84,23.22

## Text on the board
B.Silkscreen: AM32 | 2-8S | 4 3 2 1   C - + | REV3.3 | 3 | 4 | 1 | 2 | + | -
F.Silkscreen: + - C X 1 2 3 4 | 4 | 3 | 1 | 2 | + | -
